# Altium PCB P1.PcbDoc
Units mm, origin at the board's own origin, x right, y up, seen from the top; angles counter-clockwise.
Board outline 111.3 x 100 mm, 2 copper layers (Top Layer, Bottom Layer); 55 components, 165 nets, 165 pads, 14 vias.
Unrouted connection lines stored in the file: 11.
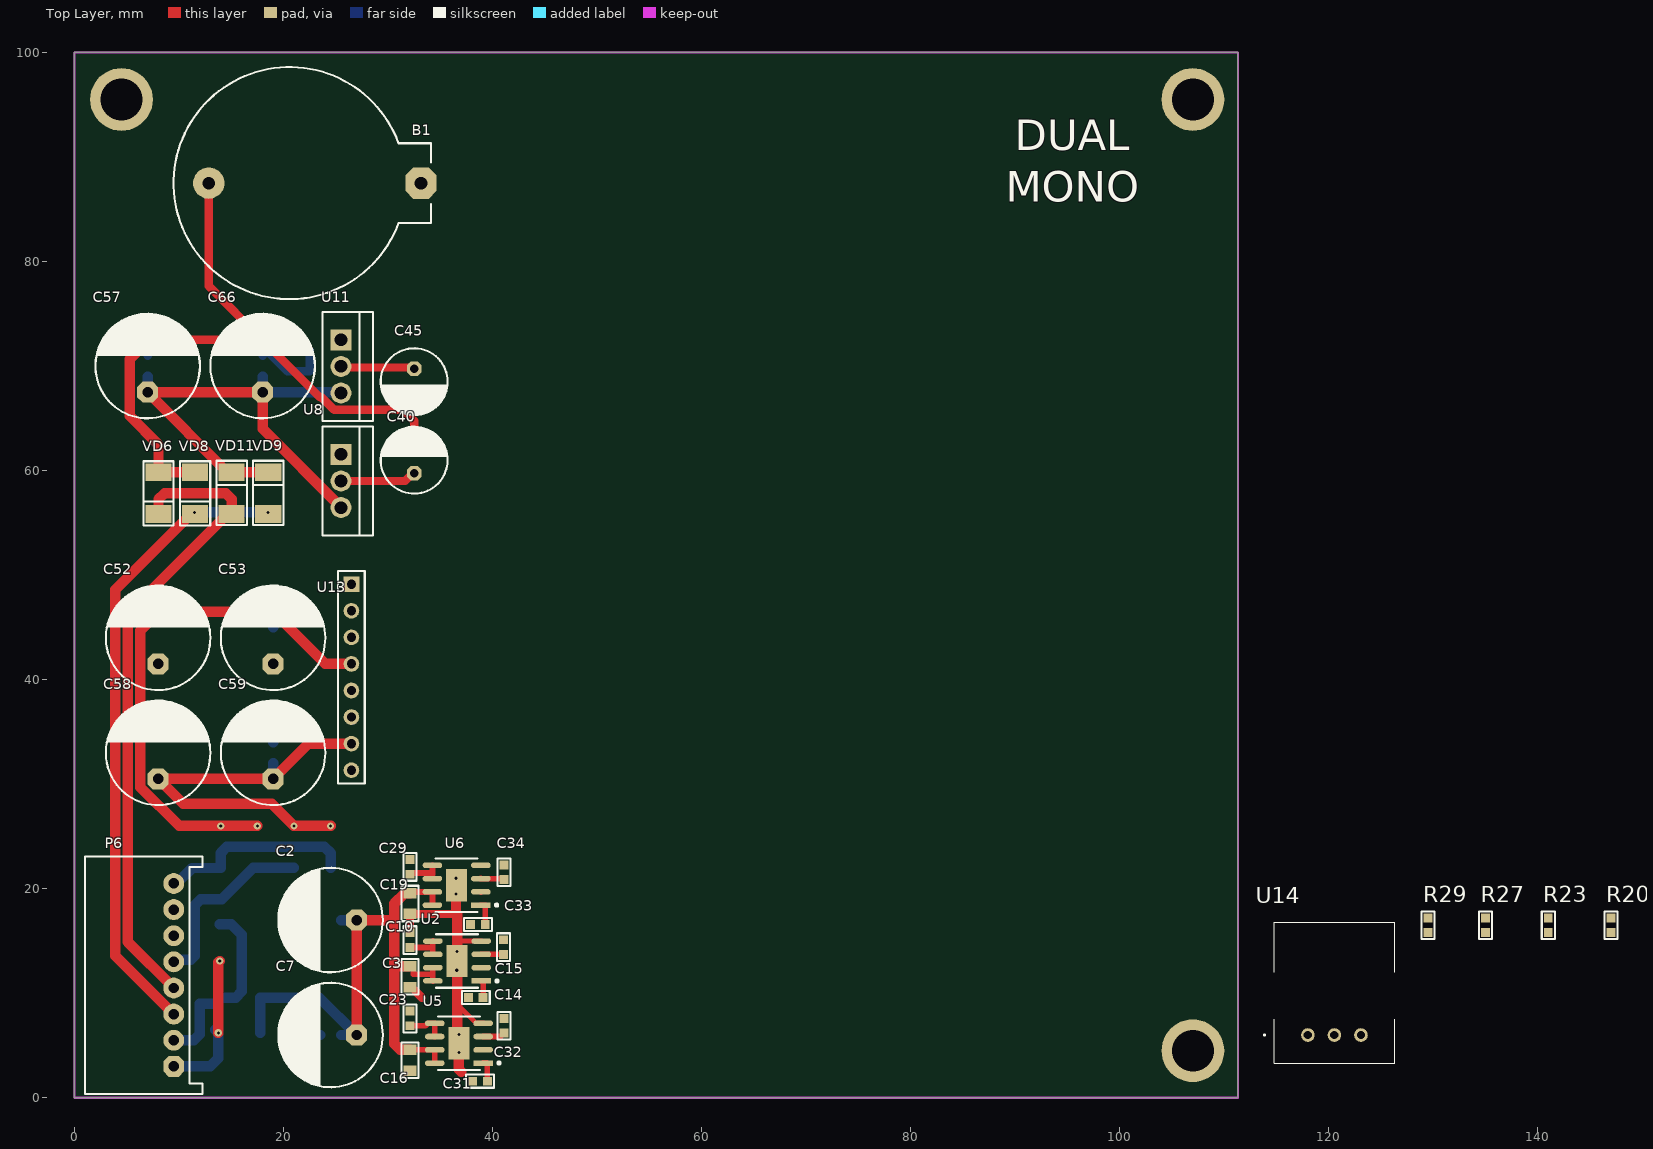
[diagram p0: Top Layer view]
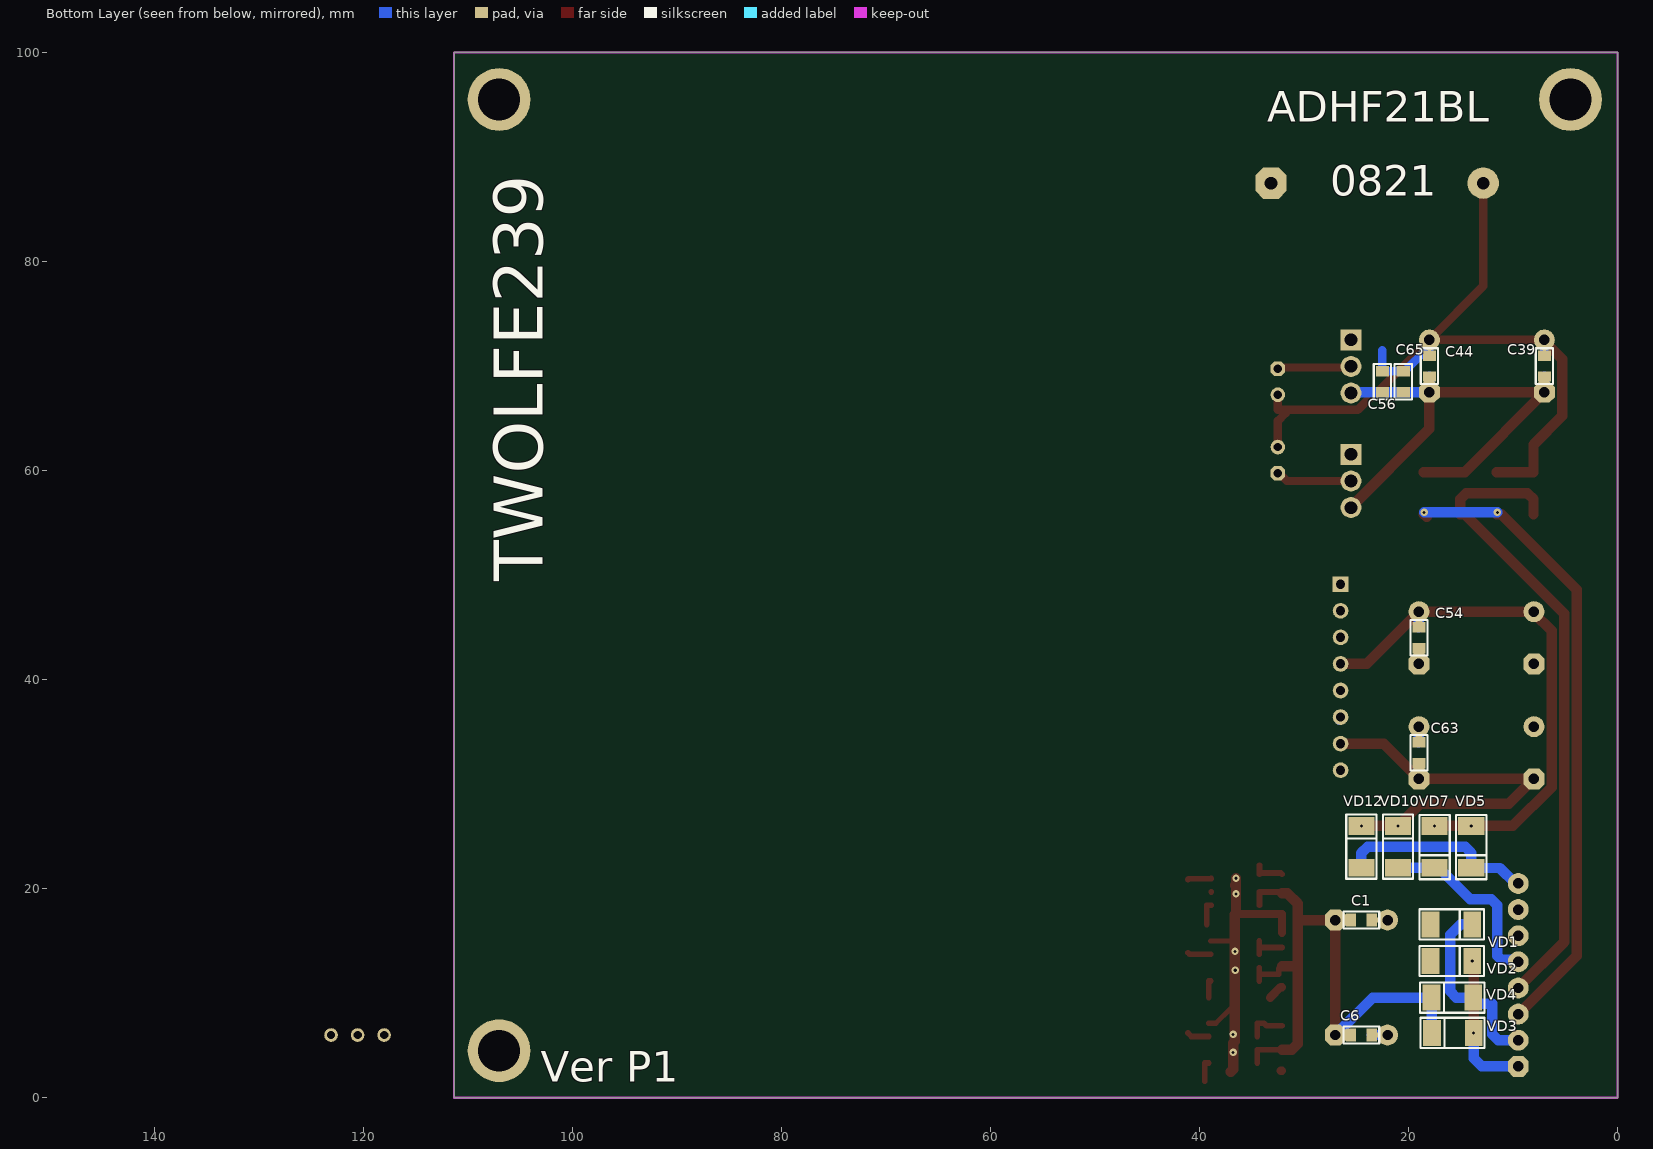
[diagram p1: Bottom Layer view, seen from below]
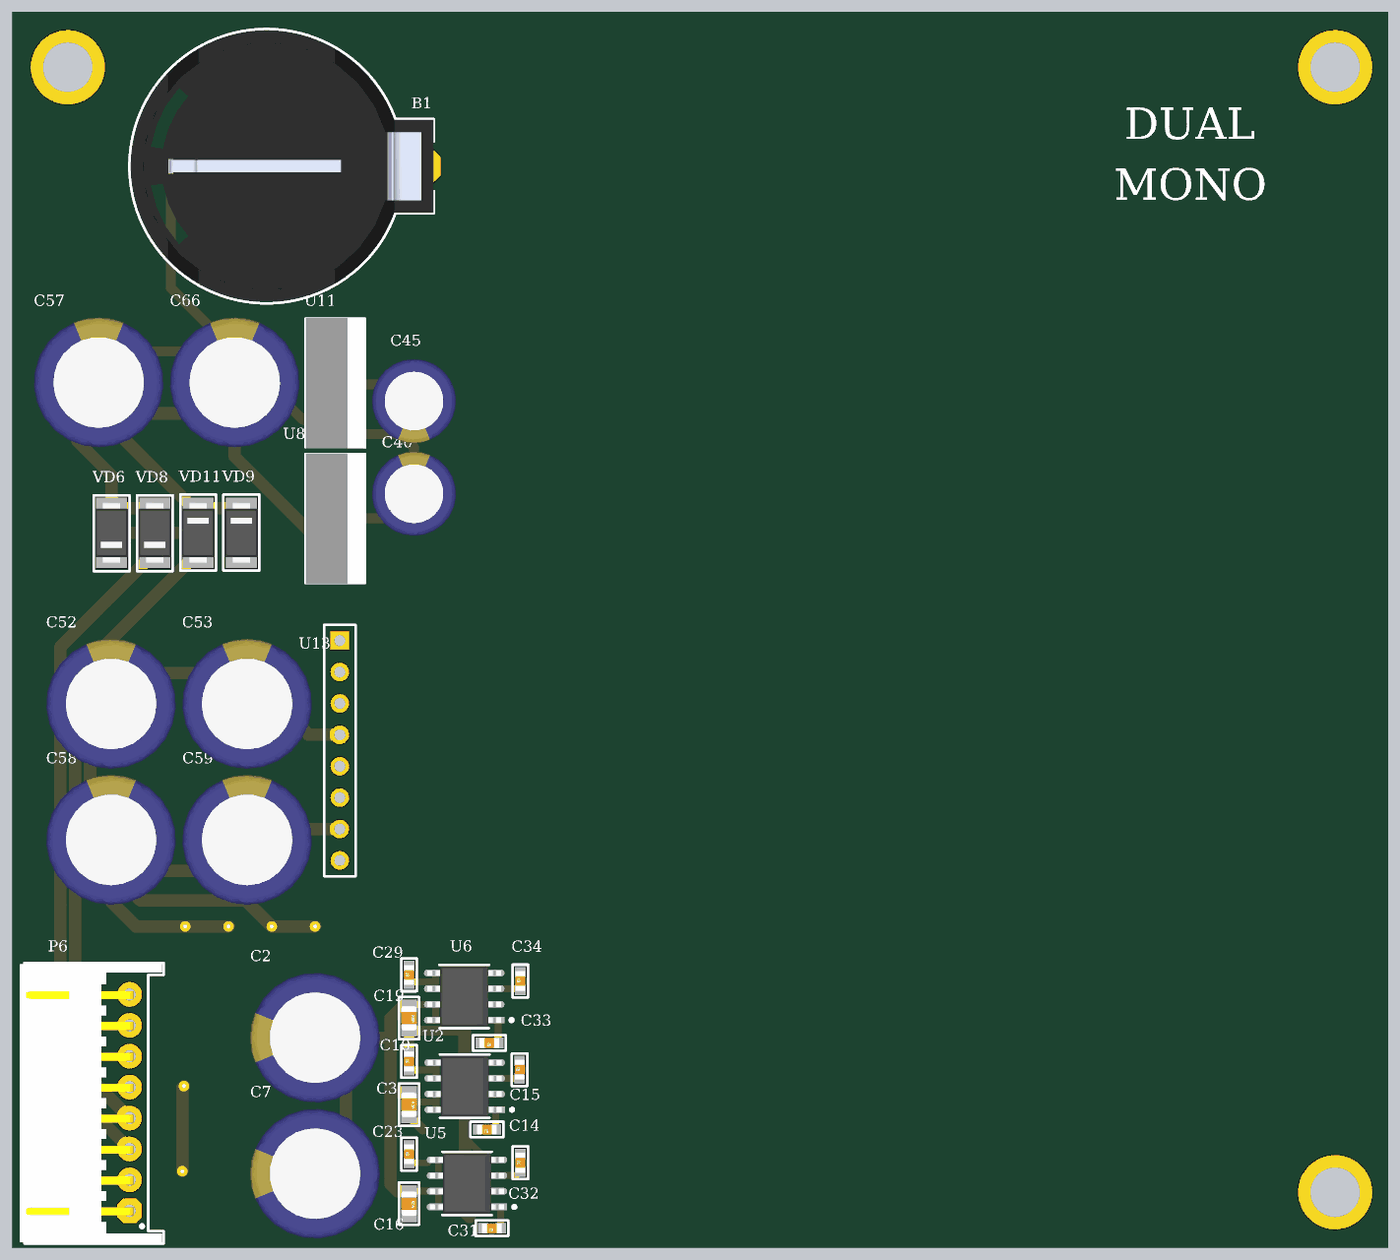
[diagram p2: 3D render of the assembled board from above, using the file's embedded part models]
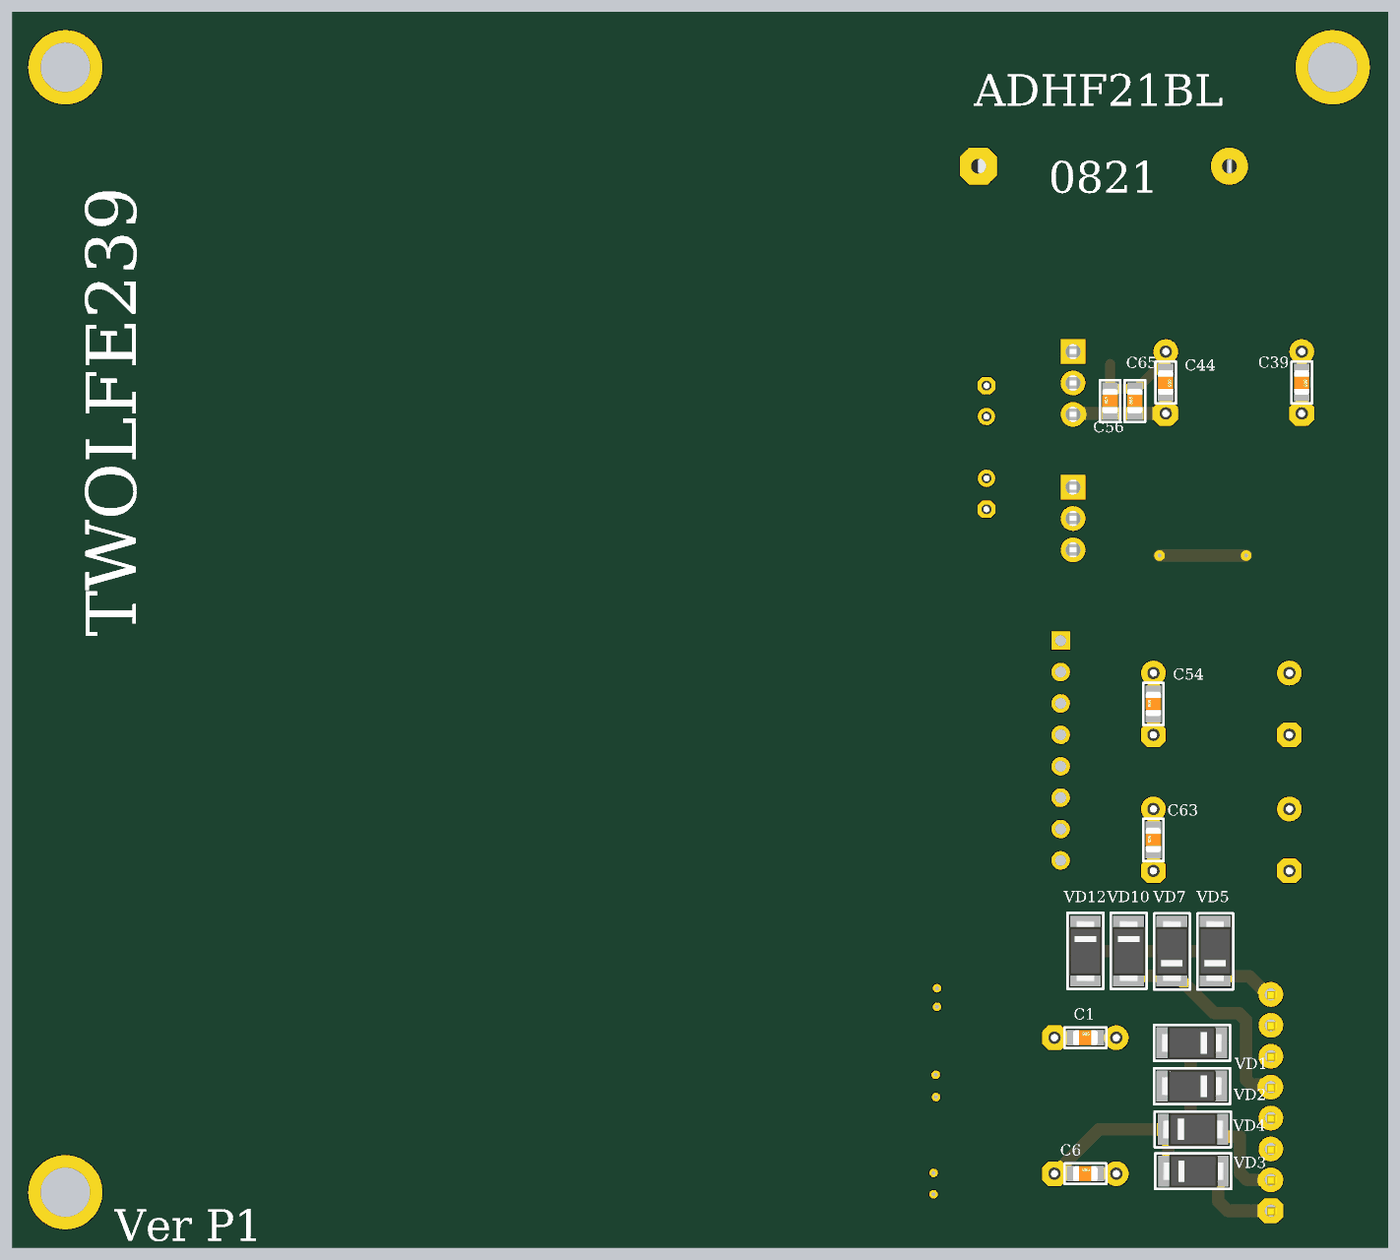
[diagram p3: 3D render of the assembled board from below, using the file's embedded part models]

## Layer stack, top to bottom
Top Solder: solder mask 0.0102, Solder Resist, Dk 3.5
Top Layer: signal copper 0.035
Dielectric 1: dielectric 0.32, FR-4, Dk 4.8
Bottom Layer: signal copper 0.035
Bottom Solder: solder mask 0.0102, Solder Resist, Dk 3.5

## Board outline
0,0 0,100 111.302,100 111.3,99.998 111.3,0

## Design rules (kind name [scope] priority, off if disabled: settings)
BoardOutlineClearance [All] p1: gap=0.25 ignorepadtopadclearanceinfootprint=FALSE
Clearance Clearance_MultiLayerPad [OnLayer('Multi-Layer') and IsPad] p1: gap=0.2 ignorepadtopadclearanceinfootprint=FALSE except(0: Arc-Hole Track-Hole SMDPad-Hole THPad-Hole Via-Hole Fill-Hole Poly-Hole Region-Hole Text-Hole)
Clearance Clearance_Polygon [InPolygon] p2: gap=0.1 ignorepadtopadclearanceinfootprint=FALSE except(0: Arc-Hole Track-Hole SMDPad-Hole THPad-Hole Via-Hole Fill-Hole Poly-Hole Region-Hole Text-Hole)
Clearance [All] p3: gap=0.1 ignorepadtopadclearanceinfootprint=FALSE except(0: Arc-Hole Track-Hole SMDPad-Hole THPad-Hole Via-Hole Fill-Hole Poly-Hole Region-Hole Text-Hole)
ComponentClearance [All] p1: gap=0.2 collisioncheckmode=3 verticalgap=0.2 showdistances=FALSE
DiffPairsRouting [All] p1: maxlimit=0.5 minlimit=0.1 mostfreqgap=0.15 toplayer_minwidth=0.1 toplayer_maxwidth=0.5 toplayer_prefwidth=0.15 bottomlayer_minwidth=0.1 bottomlayer_maxwidth=0.5 bottomlayer_prefwidth=0.15 maxuncoupledlength=12.7
Height [All] p1: minheight=0 maxheight=50 prefheight=12.7
HoleSize [All] p1: absolutevalues=TRUE maxlimit=10 minlimit=0.3 maxpercent=80.000 minpercent=20.000
HoleToHoleClearance [All] p1: gap=0.3 allowstackedmicrovias=TRUE
MinimumSolderMaskSliver [All] p1: minsoldermaskwidth=0.05
PlaneClearance [All] p1: clearance=0.5
PlaneConnect [All] p1: planeconnectstyle=Relief reliefexpansion=0.5 reliefentries=4 reliefconductorwidth=0.2 reliefairgap=0.2
PolygonConnect PolygonConnect_PadGND [InNet('GND') and IsPad] p1: connectstyle=Relief reliefconductorwidth=0.2 reliefentries=4 polygonreliefangle="90 Angle" airgapwidth=0.2
PolygonConnect PolygonConnect_Via [IsVia] p2: connectstyle=Direct reliefconductorwidth=0.254 reliefentries=4 polygonreliefangle="90 Angle" airgapwidth=0.254
PolygonConnect [All] p3: connectstyle=Relief reliefconductorwidth=0.2 reliefentries=4 polygonreliefangle="90 Angle" airgapwidth=0.2
RoutingVias [All] p1: holewidth=0.2 width=0.4 viastyle="Through Hole" minholewidth=0.2 minwidth=0.4 maxholewidth=0.5 maxwidth=1.2
SilkToSolderMaskClearance [IsPad] p1: minsilkscreentomaskgap=0.05 clearancetoexposedcopper=TRUE
SolderMaskExpansion [All] p1: expansion=0.075 istentingtop=FALSE
Width [All] p1: maxlimit=10 minlimit=0.1 preferedwidth=0.1
21 further rules are at their usual default settings.

## Classes and differential pairs
component class P1: B1 C1 C2 C3 C6 C7 C10 C14 C15 C16 C19 C23 C29 C31 C32 C33 C34 C39 C40 C44 C45 C52 C53 C54 C56 C57 C58 C59 C63 C65 C66 P6 U2 U5 U6 U8 U11 U13 VD1 VD2 VD3 VD4 VD5 VD6 VD7 VD8 VD9 VD10 VD11 VD12

## Components (designator, comment, footprint, x,y, rotation, side; value= is the part's Value field where it differs from the comment)
B1 "Single battery CR2032" "BAT: CH224-2032" 23,87.5 r180 top
C1 "Ceramic capacitor, 0.1u, X7R, ±10%, 16V, 0201, -55...+125°C" "CAP: 0805" 24.5,17 r180 bottom value=0.1u
C2 "Aluminium capacitor, 1000μF, 35V, ±20%, 54mOhm, 14x10x5 mm, -55...+105°C" "CAP: D10C5H20" 24.5,17 r180 top value=1000μF
C3 "Ceramic capacitor, 10μF, X7R, ±10%, 16V, 0201, -55...+125°C" "CAP: 0805" 32.102,11.582 r270 top value=10μF
C6 "Ceramic capacitor, 0.1u, X7R, ±10%, 16V, 0201, -55...+125°C" "CAP: 0805" 24.5,6 r180 bottom value=0.1u
C7 "Aluminium capacitor, 1000μF, 35V, ±20%, 54mOhm, 14x10x5 mm, -55...+105°C" "CAP: D10C5H20" 24.5,6 r180 top value=1000μF
C10 "Ceramic capacitor, 1u, X7R, ±10%, 16V, 0201, -55...+125°C" "CAP: 0603" 32.102,15.082 r90 top value=1u
C14 "Ceramic capacitor, 10u, X7R, ±10%, 16V, 0201, -55...+125°C" "CAP: 0603" 38.402,9.582 r180 top value=10u
C15 "Ceramic capacitor, 1u, X7R, ±10%, 16V, 0201, -55...+125°C" "CAP: 0603" 41.046,14.411 r90 top value=1u
C16 "Ceramic capacitor, 10μF, X7R, ±10%, 16V, 0201, -55...+125°C" "CAP: 0805" 32.102,3.582 r270 top value=10μF
C19 "Ceramic capacitor, 10μF, X7R, ±10%, 16V, 0201, -55...+125°C" "CAP: 0805" 32.102,18.582 r270 top value=10μF
C23 "Ceramic capacitor, 1u, X7R, ±10%, 16V, 0201, -55...+125°C" "CAP: 0603" 32.102,7.582 r90 top value=1u
C29 "Ceramic capacitor, 1u, X7R, ±10%, 16V, 0201, -55...+125°C" "CAP: 0603" 32.102,22.082 r90 top value=1u
C31 "Ceramic capacitor, 10u, X7R, ±10%, 16V, 0201, -55...+125°C" "CAP: 0603" 38.802,1.582 r180 top value=10u
C32 "Ceramic capacitor, 1u, X7R, ±10%, 16V, 0201, -55...+125°C" "CAP: 0603" 41.102,6.882 r90 top value=1u
C33 "Ceramic capacitor, 10u, X7R, ±10%, 16V, 0201, -55...+125°C" "CAP: 0603" 38.602,16.582 r180 top value=10u
C34 "Ceramic capacitor, 1u, X7R, ±10%, 16V, 0201, -55...+125°C" "CAP: 0603" 41.102,21.582 r90 top value=1u
C39 "Ceramic capacitor, 0.1u, X7R, ±10%, 16V, 0201, -55...+125°C" "CAP: 0805" 7,70 r270 bottom value=0.1u
C40 "Aluminium capacitor, 100μF, 25V, ±20%, 54mOhm, 14x10x5 mm, -55...+105°C" "CAP: D6.3C2.5H11" 32.5,61 r90 top value=100μF
C44 "Ceramic capacitor, 0.1u, X7R, ±10%, 16V, 0201, -55...+125°C" "CAP: 0805" 18,70 r270 bottom value=0.1u
C45 "Aluminium capacitor, 100μF, 25V, ±20%, 54mOhm, 14x10x5 mm, -55...+105°C" "CAP: D6.3C2.5H11" 32.5,68.5 r270 top value=100μF
C52 "Aluminium capacitor, 1000μF, 35V, ±20%, 54mOhm, 14x10x5 mm, -55...+105°C" "CAP: D10C5H20" 8,44 r90 top value=1000μF
C53 "Aluminium capacitor, 1000μF, 35V, ±20%, 54mOhm, 14x10x5 mm, -55...+105°C" "CAP: D10C5H20" 19,44 r90 top value=1000μF
C54 "Ceramic capacitor, 0.1u, X7R, ±10%, 16V, 0201, -55...+125°C" "CAP: 0805" 19,44 r90 bottom value=0.1u
C56 "Ceramic capacitor, 0.1u, X7R, ±10%, 16V, 0201, -55...+125°C" "CAP: 0805" 22.5,68.5 r90 bottom value=0.1u
C57 "Aluminium capacitor, 1000μF, 35V, ±20%, 54mOhm, 14x10x5 mm, -55...+105°C" "CAP: D10C5H20" 7,70 r90 top value=1000μF
C58 "Aluminium capacitor, 1000μF, 35V, ±20%, 54mOhm, 14x10x5 mm, -55...+105°C" "CAP: D10C5H20" 8,33 r90 top value=1000μF
C59 "Aluminium capacitor, 1000μF, 35V, ±20%, 54mOhm, 14x10x5 mm, -55...+105°C" "CAP: D10C5H20" 19,33 r90 top value=1000μF
C63 "Ceramic capacitor, 0.1u, X7R, ±10%, 16V, 0201, -55...+125°C" "CAP: 0805" 19,33 r90 bottom value=0.1u
C65 "Ceramic capacitor, 0.1u, X7R, ±10%, 16V, 0201, -55...+125°C" "CAP: 0805" 20.5,68.5 r90 bottom value=0.1u
C66 "Aluminium capacitor, 1000μF, 35V, ±20%, 54mOhm, 14x10x5 mm, -55...+105°C" "CAP: D10C5H20" 18,70 r90 top value=1000μF
P6 "Connector, 8pin, 2.5mm, 250VAC, 3A" "CON: CWF-8R" 9.5,11.75 r90 top
R20 "Resistor film, 100r, ±5%, 0201, 0.05W, -55...+125°C" "RES: 0603" 147,16.5 r90 top value=100r
R23 "Resistor film, 100r, ±5%, 0201, 0.05W, -55...+125°C" "RES: 0603" 141,16.5 r90 top value=100r
R27 "Resistor film, 100r, ±5%, 0201, 0.05W, -55...+125°C" "RES: 0603" 135,16.5 r90 top value=100r
R29 "Resistor film, 100r, ±5%, 0201, 0.05W, -55...+125°C" "RES: 0603" 129.5,16.5 r90 top value=100r
U2 "ADM7150ARDZ-3.3" Analog_Devices_Inc_RD-8-2_0 36.602,13.082 r180 top value=SKIP
U5 "ADM7150ARDZ-3.3" Analog_Devices_Inc_RD-8-2_0 36.785,5.217 r180 top value=SKIP
U6 "ADM7150ARDZ-3.3" Analog_Devices_Inc_RD-8-2_0 36.561,20.331 r180 top value=SKIP
U8 "LM317" TO-220-V 25.5,59 r270 top
U11 "LM317" TO-220-V 25.5,69.96 r270 top
U13 "M5230L" HDR1X8 26.5,49.12 r270 top
U14 "TORX147" TORX147 118,6 r0 top
VD1 "Schottky diode, 80V, 500mA, 1V, 15pF, SOD-123, -55...+150°C" "DIODE: SMA" 15.895,16.582 r180 bottom
VD2 "Schottky diode, 80V, 500mA, 1V, 15pF, SOD-123, -55...+150°C" "DIODE: SMA" 15.895,13.082 r180 bottom
VD3 "Schottky diode, 80V, 500mA, 1V, 15pF, SOD-123, -55...+150°C" "DIODE: SMA" 15.763,6.203 r0 bottom
VD4 "Schottky diode, 80V, 500mA, 1V, 15pF, SOD-123, -55...+150°C" "DIODE: SMA" 15.795,9.582 r0 bottom
VD5 "Schottky diode, 80V, 500mA, 1V, 15pF, SOD-123, -55...+150°C" "DIODE: SMA" 14,24 r270 bottom
VD6 "Schottky diode, 80V, 500mA, 1V, 15pF, SOD-123, -55...+150°C" "DIODE: SMA" 8.038,57.838 r270 top
VD7 "Schottky diode, 80V, 500mA, 1V, 15pF, SOD-123, -55...+150°C" "DIODE: SMA" 17.5,24 r270 bottom
VD8 "Schottky diode, 80V, 500mA, 1V, 15pF, SOD-123, -55...+150°C" "DIODE: SMA" 11.538,57.838 r270 top
VD9 "Schottky diode, 80V, 500mA, 1V, 15pF, SOD-123, -55...+150°C" "DIODE: SMA" 18.538,57.838 r90 top
VD10 "Schottky diode, 80V, 500mA, 1V, 15pF, SOD-123, -55...+150°C" "DIODE: SMA" 21,24 r90 bottom
VD11 "Schottky diode, 80V, 500mA, 1V, 15pF, SOD-123, -55...+150°C" "DIODE: SMA" 15.038,57.838 r90 top
VD12 "Schottky diode, 80V, 500mA, 1V, 15pF, SOD-123, -55...+150°C" "DIODE: SMA" 24.5,24 r90 bottom

## Footprints (in the part's own frame and the unit in brackets; to place one, negate y for a bottom-side part, rotate by r counter-clockwise, add the part's x,y. Pads: shape width x height; smd on the part's side, far side on the other; paste and mask are expansions set on the pad)
Analog_Devices_Inc_RD-8-2_0 [mm]
  rect 1.874x0.542 smd paste+0 mask+0: 1(-2.316,1.905)
  oval 1.874x0.542 smd paste+0 mask+0: 2(-2.316,0.635) 3(-2.316,-0.635) 4(-2.316,-1.905) 5(2.316,-1.905) 6(2.316,-0.635) 7(2.316,0.635) 8(2.316,1.905)
  rect 2x3.098 smd paste-1000 mask+0: 9(0,0)
  silkscreen extent -3.95,-2.56 2,2.56, body extent -3.35,-2.6 3.35,2.6, height 0.25
"BAT: CH224-2032" [mm] "пїЅпїЅпїЅпїЅпїЅпїЅпїЅпїЅпїЅпїЅ пїЅпїЅпїЅпїЅпїЅ пїЅпїЅпїЅ пїЅпїЅпїЅпїЅпїЅпїЅпїЅпїЅ 2032"
  oct 3x3 hole 1.2: 1(-10.151,0)
  round 3 hole 1.2: 2(10.152,0)
  silkscreen extent -11.1,-11.1 13.52,11.1, body extent -11.08,-11 13.42,11, height 8.5
"CAP: 0603" [mm]
  rect 0.85x0.85 smd: 1(-0.7,0) 2(0.7,0)
  silkscreen extent -1.33,-0.63 1.33,0.63, body extent -0.8,-0.4 0.8,0.4, height 0.3
"CAP: 0805" [mm]
  rect 1x1.25 smd: 1(-1,0) 2(1,0)
  silkscreen extent -1.7,-0.82 1.7,0.82, body extent -1,-0.62 1,0.63, height 0.78
"CAP: D6.3C2.5H11" [mm]
  oct 1.4x1.4 hole 0.8: 1(-1.25,0)
  round 1.4 hole 0.8: 2(1.25,0)
  silkscreen extent -3.2,-3.2 3.2,3.2, body extent -3.4,-3.4 3.4,3.4, height 12.5
"CAP: D10C5H20" [mm]
  oct 2x2 hole 1: 1(-2.5,0)
  round 2 hole 1: 2(2.5,0)
  silkscreen extent -5,-5 5,5, body extent -5.25,-5.25 5.25,5.25, height 22
"CON: CWF-8R" [mm]
  oct 2x2 hole 1: 1(-8.75,0)
  round 2 hole 1: 2(-6.25,0) 3(-3.75,0) 4(-1.25,0) 5(1.25,0) 6(3.75,0) 7(6.25,0) 8(8.75,0)
  round 0.5 on Mech1: ""(-10.7,-2.1)
  round 0.5 on Top Overlay: ""(-10,-1)
  silkscreen extent -11.4,-2.75 11.31,8.5, body extent -11.3,-2.62 11.2,8.88, height 5.85
"DIODE: SMA" [mm]
  rect 1.7x2.5 smd: 1(-2,0) 2(2,0)
  round 0.5 on Mech1: ""(2,0.9)
  silkscreen extent -3.05,-1.45 3.1,1.45, body extent -2.5,-1.35 2.5,1.35, height 2.28
HDR1X8 [mm] "Connector; Header; 8 Position"
  rect 1.5x1.5 hole 0.9: 1(0,0)
  round 1.5 hole 0.9: 2(2.54,0) 3(5.08,0) 4(7.62,0) 5(10.16,0) 6(12.7,0) 7(15.24,0) 8(17.78,0)
  silkscreen extent -1.27,-1.27 19.05,1.27
"RES: 0603" [mm]
  rect 0.85x0.85 smd: 1(-0.7,0) 2(0.7,0)
  silkscreen extent -1.33,-0.63 1.33,0.63, body extent -0.8,-0.4 0.8,0.4, height 0.44
TO-220-V [mm] "TO-220 3-Terminal - Vertical Mount"
  rect 2x2 hole 1.2: 1(-2.54,0)
  round 2 hole 1.2: 2(0,0) 3(2.54,0)
  silkscreen extent -5.21,-1.78 5.21,3.05, body extent -5.27,-1.75 5.27,2.95, height 20.5
TORX147 [mm]
  round 1.3 hole 0.8: 1(0,0) 2(2.54,0) 3(5.08,0)
  round 1.65 hole 3.3 unplated: MH1(-1.27,3.81) MH2(6.35,3.81)
  silkscreen extent -4.2,-2.69 8.29,10.81, body extent -3.21,-2.69 8.29,10.81, height 19.5

## Part data
B1: library part Connector_CH224-2032, Manufacturer=KLS, PartNumber=CH224-2032, CommentText=CR2032, HelpURL=https://www.chipdip.ru/product/bh-642, TypeConnector="Single battery CR2032", ValueManufacturerPartNumber="Single battery CR2032"
C1 C3 C6 C10 C14 C15 C16 C19 C23 C29 C31 C32 C33 C34 C39 C44 C54 C56 C63 C65: library part Ceramic, Manufacturer=Yageo, Package=0201, PartNumber=CC0201KRX7R7BB103, Temperature=-55...+125°C, Tolerance=±10%, TypeCapacitor="Ceramic capacitor", TypeDielectric=X7R, Voltage=16V, HelpURL=https://www.digikey.com/product-detail/en/yageo/CC0201KRX7R7BB103/311-1404-1-ND/2833710
  C1 C6 C39 C44 C54 C56 C63 C65: ValueManufacturerPartNumber="Ceramic capacitor, 0.1u, X7R, ±10%, 16V, 0201, -55...+125°C"
  C3 C16 C19: ValueManufacturerPartNumber="Ceramic capacitor, 10μF, X7R, ±10%, 16V, 0201, -55...+125°C"
  C10 C15 C23 C29 C32 C34: ValueManufacturerPartNumber="Ceramic capacitor, 1u, X7R, ±10%, 16V, 0201, -55...+125°C"
  C14 C31 C33: ValueManufacturerPartNumber="Ceramic capacitor, 10u, X7R, ±10%, 16V, 0201, -55...+125°C"
C2 C7 C52 C53 C57 C58 C59 C66: library part Aluminium, Manufacturer=Wurth, Package="14x10x5 mm", PartNumber=860080475013, Temperature=-55...+105°C, Tolerance=±20%, TypeCapacitor="Aluminium capacitor", Voltage=35V, HelpURL=https://www.digikey.com/product-detail/en/wurth-electronics-inc/860080475013/732-9029-1-ND/5728972, Impedance=54mOhm, ValueManufacturerPartNumber="Aluminium capacitor, 1000μF, 35V, ±20%, 54mOhm, 14x10x5 mm, -55...+105°C"
C40 C45: library part Aluminium, Manufacturer=Wurth, Package="14x10x5 mm", PartNumber=860080475013, Temperature=-55...+105°C, Tolerance=±20%, TypeCapacitor="Aluminium capacitor", Voltage=25V, HelpURL=https://www.digikey.com/product-detail/en/wurth-electronics-inc/860080475013/732-9029-1-ND/5728972, Impedance=54mOhm, ValueManufacturerPartNumber="Aluminium capacitor, 100μF, 25V, ±20%, 54mOhm, 14x10x5 mm, -55...+105°C"
P6: library part CWF-8, CurrentMax=3A, Manufacturer=Connfly, VoltageMax=250VAC, CommentText="\"Разъем\"", HelpURL=https://www.chipdip.ru/product/cwf-8, Multichannel=8pin, PartNumber=CWF-8, Pitch=2.5mm, TypeConnector=Connector, ValueManufacturerPartNumber="Connector, 8pin, 2.5mm, 250VAC, 3A"
R20 R23 R27 R29: library part Resistor, Manufacturer=Yageo, Package=0201, PartNumber=RC0201JR-07100RL, Power=0.05W, Temperature=-55...+125°C, Tolerance=±5%, TypeResistor="Resistor film", HelpURL=https://www.digikey.com/product-detail/en/yageo/RC0201JR-07100RL/311-100NCT-ND/1949006, ValueManufacturerPartNumber="Resistor film, 100r, ±5%, 0201, 0.05W, -55...+125°C"
U2 U5 U6: "IC REG LINEAR 3.3V 800MA 8SOIC", Ambient Temperature Range High=+125°C, Ambient Temperature Range Low=-40°C, Capacitance=SKIP, Digikey Part Number=ADM7150ARDZ-3.3-ND, Dropout Voltage=0.6V, Manufacturer="Analog Devices Inc", Max Junction Temp=+150°C, Max Supply Voltage=16V, Min Supply Voltage=4.5V, Mouser Part Number=584-ADM7150ARDZ-3.3, Nominal Supply Current=8.6mA, Output Current=800mA, Output Voltage=3.3V, Package=RD-8-2, Temperature="-40°C to +125°C", Accuracy Percentage=1%, ComponentLink1Description=Upverter, ComponentLink1URL=https://upverter.com/upn/revision/462e4a23285522a3/, ComponentLink2Description=Datasheet, ComponentLink2URL=http://www.analog.com/media/en/technical-documentation/data-sheets/ADM7150.pdf, Datasheet Path=datasheets/IC_Analog_Devices_Inc_ADM7150ARDZ-3.3_eec.pdf, Datasheet Path1=datasheets/IC_Analog_Devices_Inc_ADM7150ARDZ-3.3_eec.pdf, Digikey Description="IC REG LINEAR 3.3V 800MA 8SOIC", Height=1.75mm, HelpURL=https://upverter.com/upn/revision/462e4a23285522a3/, Inductance=SKIP, Ipc Land Pattern Name=SOIC127P600X155-8, Lead Free=yes, Library Path1=parts/IC_Analog_Devices_Inc_ADM7150ARDZ-3.3_eec.SchLib, Library Ref1=ADM7150ARDZ-3.3, Mouser Description="LDO Voltage Regulators 800mA ULN LDO 3.3Vo", Number Of Outputs=1, Part Number=ADM7150ARDZ-3.3, Price=6.70290578782, Resistance=SKIP, RoHS=TRUE, Standoff Height=0.05mm, Supplier 1=Digi-Key, Supplier 2=Mouser, Supplier Part Number 1=ADM7150ARDZ-3.3-ND, Supplier Part Number 2=584-ADM7150ARDZ-3.3, Temperature Range High=+125°C, Temperature Range Low=-40°C, Verification Version=0.0.0.1, Voltage=SKIP
U8 U11: library part LM317AT/NOPB_v, "3-Terminal Regulator 1=Adj 2=OUT 3=IN", Case=TO-220, Manufacturer="TEXAS INSTRUMENTS", Manufacturer Part Number=LM317AT/NOPB, Author="CERN DEM JLC", Bonding=No, Component Type=Standard, ComponentHeight=19.55mm, CreateDate=07.12.2010, Device=LM317, HelpURL=\\cern.ch\dfs\Applications\Altium\Datasheets\LM317AT-NOPB.pdf, LatestRevisionDate=18.09.2014, Mounted=Yes, PackageDescription="TO-220 3-Terminal - Vertical Mount", Part Description="3-Terminal High-Voltage 1.2V To 37V 1.5A Positive Adjustable Regulator", Part Number=LM317AT/NOPB_v, Pin Count=3, PressFit=No, Sense=No, SMD=No, Socket=No
U13: library part "Header 8", "Header, 8-Pin", LatestRevisionDate=17-Jul-2002, LatestRevisionNote="Re-released for DXP Platform.", Publisher="Altium Limited"
U14: "Undefined or Miscellaneous", Manufacturer_Name=Toshiba, Mouser Part Number=N/A, Datasheet Link=https://datasheetspdf.com/pdf-file/928498/ToshibaSemiconductor/TOTX147/1, Height=19.4mm, Manufacturer_Part_Number=TORX147, Mouser Price/Stock=https://www.mouser.co.uk/ProductDetail/Toshiba/TORX147?qs=8GnAp0dDS0JS0hhE8Z5hBw%3D%3D
VD1 VD2 VD3 VD4 VD5 VD6 VD7 VD8 VD9 VD10 VD11 VD12: library part Schottky_single, Current=500mA, Manufacturer="Diodes Incorporated", Package=SOD-123, PartNumber=SS34, Temperature=-55...+150°C, Voltage=80V, VoltageDrop=1V, HelpURL=https://www.digikey.com/product-detail/en/diodes-incorporated/MBR0580S1-7/MBR0580S1-7DICT-ND/5080371, RecoveryTime=15pF, TypeDiode="Schottky diode", ValueManufacturerPartNumber="Schottky diode, 80V, 500mA, 1V, 15pF, SOD-123, -55...+150°C"

## Free pads (board coordinates)
  round 6 hole 4: 2(107,95.5) 3(107,4.5) 4(4.5,95.5)

## Via types
v1: diameter 0.7, hole 0.3, Top Layer to Bottom Layer, 14 vias

## Nets (pads, with @x,y where several pads share a name; then routed paths per layer and width w, separated by ;. In a path a pad name is that pad's centre, name@x,y a point inside that pad or via, vN(x,y) a via of type N, cw(c..) or ccw(c..) an arc to the next point about the centre after c; other vN are vias at no path point)
+12V: 
+DCOP: C58.1 C59.1 C63.1 U13.7 VD10.2 VD12.2 | length 39.8
  Top Layer w1: v1(24.5,26) v1(21,26) 18.896,28.104 10.396,28.104 C58.1 C59.1 22.38,33.88 U13.7
  Bottom Layer w1: C59.1 C63.1
-12V: 
-DCOP: C52.2 C53.2 C54.2 U13.4 VD5.1 VD7.1 | length 52.3
  Top Layer w1: v1(17.5,26) v1(14,26) 10.01,26 6.3,29.71 6.3,44.664 8,46.364 C52.2 C53.2 23.979,41.521 26.479,41.521 U13.4
  Bottom Layer w1: C54.2 C53.2
AC9L1: P6.1 VD2.2 VD3.1 | length 14.4
  Top Layer w1: v1(13.763,6.203) 13.763,12.949 v1(13.895,13.082)
  Bottom Layer w1: P6.1 13,3 13.763,3.763 v1(13.763,6.203) VD3.1@13.453,6.514
AC9L2: P6.4 VD6.2 VD11.1 | length 61.8
  Top Layer w1: VD6.2 8.038,57.252 8.624,57.838 14.453,57.838 15.038,57.252 VD11.1 14.638,55.838 5.1,46.299 5.1,14.9 P6.4
AC9L11: P6.2 VD1.2 VD4.1 | length 18.2
  Bottom Layer w1: P6.2 11.414,5.5 12,6.086 12,8.996 13.445,8.996 13.795,9.346 VD4.1 15.411,9.582 15.997,10.167 15.997,15.599 14.997,16.599 13.913,16.599 VD1.2
AC9L22: P6.3 VD8.2 VD9.1 | length 60.9
  Top Layer w1: P6.3 3.9,13.6 3.9,48.599 11.138,55.838 VD8.2 ; VD9.1@18.274,55.573 VD9.1
  Bottom Layer w1: v1(11.5,56) v1(18.5,56)
AC18L1: P6.5 VD7.2 VD10.1 | length 18.1
  Bottom Layer w1: P6.5 9.691,13.191 11.106,13.191 11.5,13.586 11.5,18.414 12.086,19 14.1,19 17.1,22 VD7.2 VD10.1
AC18L2: P6.8 VD5.2 VD12.1 | length 18.9
  Bottom Layer w1: P6.8 9.771,20.5 11.25,21.979 13.979,21.979 VD5.2 14,23.414 14.586,24 23.914,24 24.5,23.414 VD12.1
AGNDD: C1.2 C2.2 C3.2 C6.2 C7.2 C10.2 C14.2 C15.2 C16.2 C19.2 C23.2 C29.2 C31.2 C32.2 C33.2 C34.2 C52.1 C53.1 C54.1 C58.2 C59.2 C63.2 P6.6 P6.7 pad.2 pad.3 pad.4 U2.4 U2.9 U5.4 U5.9 U6.4 U6.9 U13.1 VD1.1 VD2.1 | length 35.7
  Top Layer w0.5: 36.614,8.5 37.057,8.5 38.436,7.122 U5.4 ; 36.906,14.987 U2.4
  Top Layer w0.6: 36.602,15.291 36.906,14.987
  Top Layer w0.8: C16.2 C16.2@32.227,2.582 ; C3.2 32.227,10.582 33.227,9.582 ; C10.2 C19.2 36.418,17.582 36.5,17.5
  Top Layer w1: 36.5,17.5 36.5,20.27 U6.9 36.5,20.391 v1(36.5,21) ; 36.602,17.5 36.602,15.291 v1(36.602,14) U2.9 36.614,13.069 36.614,8.5 36.614,5.388 U5.9 36.785,2.715 37,2.5
  Bottom Layer w1: C63.2 C59.2 ; C7.2@22,5.73 C7.2 C6.2
  Bottom Layer w1.2: C53.1 C53.1@19,41.62
  Bottom Layer w1.8: C58.2@8,35.446 C58.2 C58.2@8.054,35.5 ; C59.2@18.946,35.5 C59.2
  other v1: 36.778,4.34 36.778,6.063 36.576,12.201 36.5,19.5
AVDDL: U2.2
AVDDR: U5.2
AVDR: U6.2 | length 0
  Top Layer w0.55: U6.2 U6.2@38.881,19.692
AVIN: C1.1 C2.1 C3.1 C6.1 C7.1 C16.1 C19.1 U2.7 U2.8 U5.7 U5.8 U6.7 U6.8 VD3.2 VD4.2 | length 61.5
  Top Layer w0.55: C16.1 U5.7 U5.8 ; C3.1 32.199,12.582 32.424,12.357 32.424,11.812 34.285,11.812 ; C19.1 32.212,19.692 34.241,19.692 U6.7 U6.8 ; U2.8 34.285,11.812 ; U2.7 34.285,11.812
  Top Layer w1: C7.1 C2.1 30.602,17 ; C16.1 31.187,4.582 30.602,5.167 30.602,12.5 ; C3.1 30.683,12.582 30.602,12.5 ; C19.1 31.602,19.582 30.602,18.582 30.602,17 ; 30.602,12.5 30.602,17
  Bottom Layer w1: VD3.2 17.779,6.219 17.779,9.566 VD4.2 23.418,9.582 C7.1 C6.1 ; C1.1 C2.1
BCLK: R23.1
BCLKU: 
BUZZ: 
DGNDD: B1.2 C39.1 C40.2 C44.1 C45.2 C56.2 C57.2 C65.2 C66.2 U14.1 VD6.1 VD8.1 | length 79
  Top Layer w0.8: C57.2 C66.2 ; B1.2 12.848,77.651 C66.2 ; C40.2 32.5,64.75 31.75,65.5 31.43,65.82 ; C45.2 32.5,65.82 31.75,65.82 31.43,65.82 ; C66.2 23.5,67 23.657,67 24.837,65.82 31.43,65.82
  Top Layer w1: C57.2 7,72.364 5.3,70.664 5.3,65.233 8.038,62.495 VD6.1 VD8.1
  Bottom Layer w0.8: C39.1 C57.2 ; C44.1 C66.2 ; C66.2@18.23,71.645 20.375,69.5 C65.2 C56.2 22.5,71.5
DVDD5: C40.1 U8.2 | length 7.3
  Top Layer w0.8: U8.2 31.634,59 32.384,59.75 C40.1
DVDDL: 
DVDDR: 
DVDR3: C45.1 U11.2 U14.2 | length 7.4
  Top Layer w0.8: U11.2@25.825,69.96 U11.2 25.605,69.855 32.395,69.855 C45.1
ENC_A: 
ENC_B: 
ENRCV: 
ENTER: 
ENXMOS: 
GND: 
INPHL: 
INPHR: 
INPLL: 
INPLR: 
LRCLK: R27.1
LRCLKU: 
LSE1: 
LSE2: 
MCLK: R20.1
MCLKU: 
MUTE: 
NetB1_1: B1.1
NetBF1_2: 
NetC10_1: C10.1 U2.5 U2.6 | length 3.5
  Top Layer w0.55: C10.1 34.255,14.382 34.285,14.352 ; U2.6 34.285,14.352 ; U2.5 34.285,14.352
NetC11_1: 
NetC11_2: 
NetC14_1: C14.1 U2.1 | length 1.8
  Top Layer w0.55: U2.1 39.098,11.177 39.102,11.173 C14.1
NetC15_1: C15.1 U2.3 | length 2.3
  Top Layer w0.55: U2.3 40.937,13.717 C15.1@41.102,13.881
NetC18_1: 
NetC18_2: 
NetC21_1: 
NetC23_1: C23.1 U5.5 U5.6 | length 3.7
  Top Layer w0.55: C23.1 33.571,6.882 33.811,7.122 U5.5 U5.6
NetC27_2: 
NetC29_1: C29.1 U6.5 U6.6 | length 3.1
  Top Layer w0.55: C29.1 32.22,21.5 34.126,21.5 34.244,21.382 U6.5
NetC30_2: 
NetC31_1: C31.1 U5.1 | length 2.1
  Top Layer w0.55: U5.1 39.498,3.312 39.502,3.308 C31.1
NetC32_1: C32.1 U5.3 | length 2.1
  Top Layer w0.55: U5.3 40.772,5.852 C32.1
NetC33_1: C33.1 U6.1 | length 2.3
  Top Layer w0.55: U6.1 39.298,18.426 39.302,18.422 C33.1
NetC34_1: C34.1 U6.3 | length 2.3
  Top Layer w0.55: U6.3 38.881,20.962 41.021,20.962 C34.1
NetC37_1: 
NetC37_2: 
NetC39_2: C39.2 C44.2 C56.1 C57.1 C65.1 C66.1 U8.3 U11.3 VD9.2 VD11.2 | length 50.4
  Top Layer w1: VD9.2 VD11.2 14.638,59.838 7,67.476 C57.1 C66.1 18,64 U8.3@25.5,56.5
  Bottom Layer w1: C57.1 C39.2 ; C44.2 C66.1 20.375,67.5 C65.1 22.375,67.5 C56.1 25.42,67.5 U11.3
NetC48_1: 
NetC50_1: 
NetC55_2: U13.3 | length 0.1
  Bottom Layer w1: U13.3 U13.3@26.596,44.136
NetC67_1: U13.6 | length 0.5
  Top Layer w1: U13.6 U13.6@26.56,36.48
  Bottom Layer w0.8: U13.6 26.634,36.286 U13.6@26.634,36.066
NetC71_1: 
NetC77_1: 
NetC77_2: 
NetC78_1: 
NetC78_2: U13.5
NetC79_2: 
NetC88_1: 
NetC88_2: 
NetC89_1: 
NetC89_2: 
NetC90_1: 
NetC90_2: 
NetC91_1: 
NetC96_2: 
NetC98_2: 
NetC101_2: 
NetC102_1: 
NetC102_2: 
NetC103_1: 
NetC104_1: 
NetC110_1: 
NetC111_2: 
NetC116_1: 
NetIC1_2: 
NetJ1_1A: 
NetJ1_2B: 
NetP5_2: 
NetR1_1: 
NetR2_1: 
NetR9_1: 
NetR20_2: R20.2
NetR22_1: 
NetR22_3: 
NetR23_2: R23.2
NetR24_1: U8.1
NetR25_2: 
NetR27_2: R27.2
NetR29_2: R29.2
NetR30_2: 
NetR31_2: 
NetR32_1: 
NetR34_2: 
NetR36_2: 
NetR37_2: 
NetR38_2: 
NetR39_1: U11.1
NetR41_1: 
NetR42_2: 
NetR43_2: U13.2
NetR45_2: 
NetR47_2: 
NetR48_1: 
NetR60_1: 
NetR61_1: 
NetR62_2: 
NetR64_2: 
NetR66_2: 
NetR67_2: 
NetR69_2: 
NetR70_1: 
NetR72_2: 
NetR74_1: U14.3
NetR75_1: 
NetR76_1: 
NetR78_2: 
NetR80_2: 
NetR81_2: 
NetR83_2: 
NetR88_1: 
NetR92_1: 
NetR94_1: 
NetR95_2: 
NetR96_2: 
NetR98_1: 
NetR98_3: 
NetR99_1: 
NetR103_2: 
NetR104_2: 
NetU1_13: 
NetU1_15: 
NetU1_17: 
OUTL: 
OUTR: 
RSTD: 
RSTR: 
SCL: 
SDA: 
SDATA: R29.1
SDATAU: 
SSCL: 
SSCL1: 
SSDA: 
SSDA1: 
SSL: 
SSR: 
SWCLK: 
SWDIO: 
VBIASL: 
VBIASR: 
VCC: 
pads on no net: P6. U13.8 U14.MH1 U14.MH2 VD1. VD2. VD3. VD4. VD5. VD6. VD7. VD8. VD9. VD10. VD11. VD12.

## Keep-outs
Keep-Out Layer:
  lines w0.2: 111.3,99.998 111.3,99.5 111.3,0 0,0 0,100 111.302,100

## Silkscreen, mask and mechanical layers (free items; w line width, h text height)
Top Overlay:
  text "DUAL" at 89.939,89.697 h5
  text "MONO" at 89.105,84.782 h5
Bottom Overlay:
  text "ADHF21BL" at 33.5,92.398 h5
  text "0821" at 27.495,85.357 h5
  text "TWOLFE239" at 101.291,49.427 h8 r270
  text "Ver P1" at 103.033,0.568 h5